# Altium PCB MCU063B_PCB.PcbDoc (part 6 of 9) (continued)
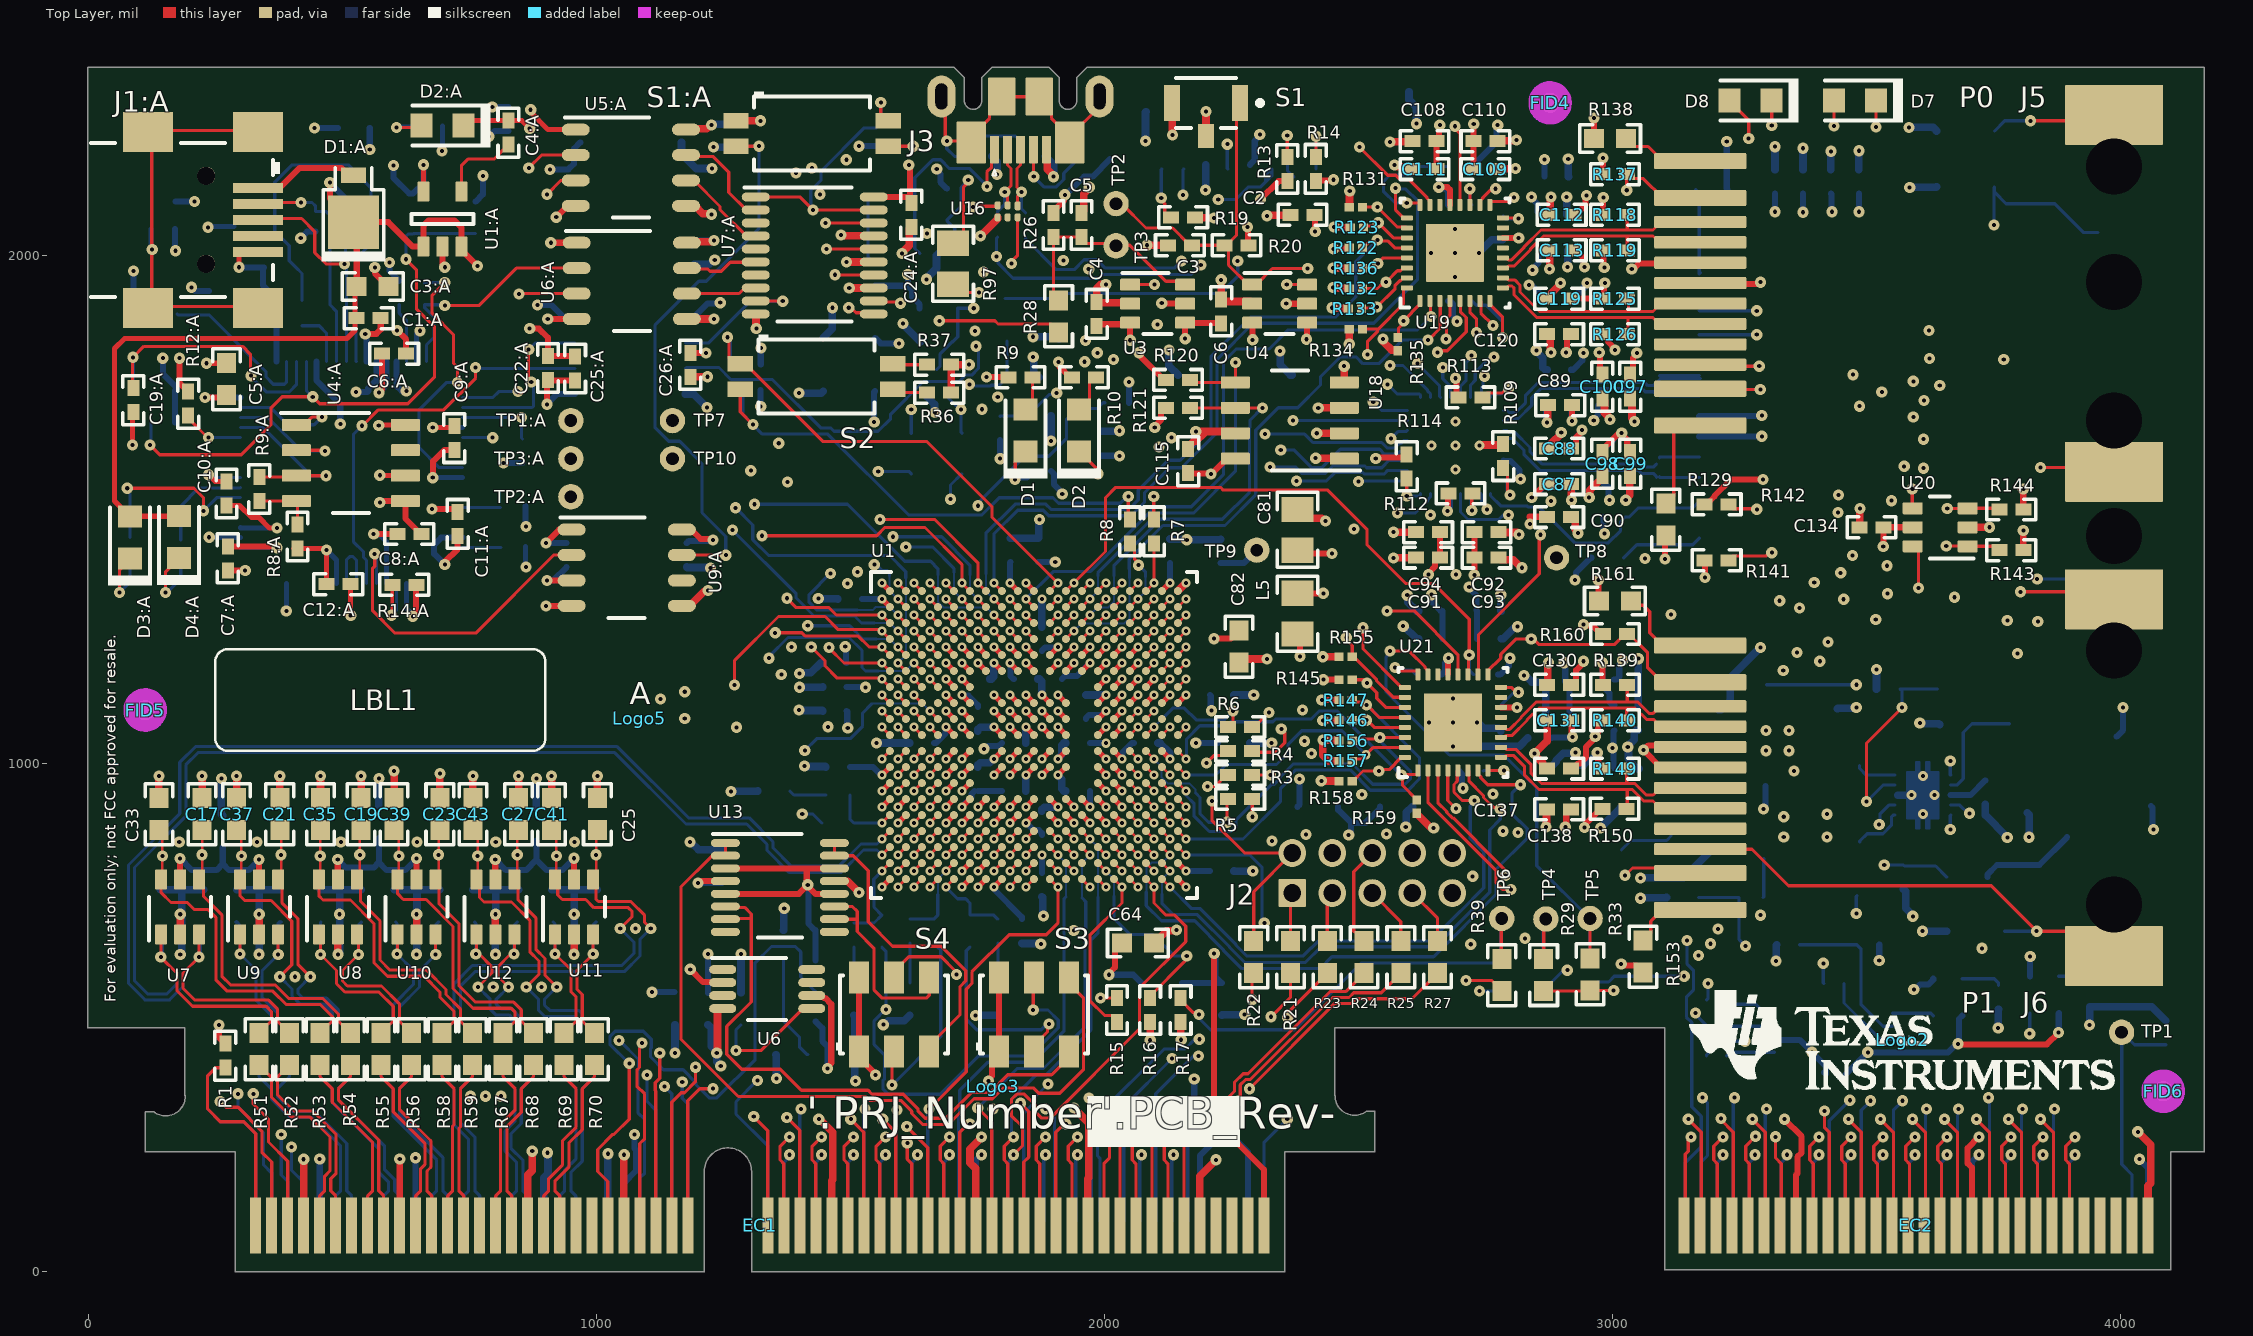
[diagram p0: Top Layer view]
## Nets (pads, with @x,y where several pads share a name; then routed paths per layer and width w, separated by ;. In a path a pad name is that pad's centre, name@x,y a point inside that pad or via, vN(x,y) a via of type N, cw(c..) or ccw(c..) an arc to the next point about the centre after c; other vN are vias at no path point) (continued)
  Top Layer w6.25: v2(1814.18,819.88) U1.U9@1829.92,835.63
  Signal Layer 4 w4: v2(1814.18,819.88) 1830.67,803.38 1851.88,803.38 1876,779.27 1876,743 1916,703 1918.4,703
  Signal Layer 4 w6.25: 1918.4,703 1947.4,703 1971.47,678.93 1992.19,678.93 2029.19,641.94 2154.79,641.94 2157.29,644.44 2257.31,644.44 2280.87,620.88 2620.05,620.88 2661.6,662.42 2742,662.42 2743.55,660.88 2796.13,660.88 2816.12,680.86 2816.12,689.38 2855.87,729.13 3035.25,729.13 3047.5,716.88 3210.62,716.88 3257.12,670.38 3274.29,670.38 3281.42,663.25 3516.24,663.25 3532.65,646.84 3533.64,646.84 3581.29,599.19 3850.96,599.19 3957.33,492.82 3957.33,251.42 3905.54,199.63 3499.71,199.63 v1(3469.34,230)
  Bottom w6.25: EC2.142@3458.39,91 3458.39,214.05 3474.34,230 v1(3469.34,230)
MCU_GPIO127: EC2.165 U1.V9 | length 2978.5
  Top Layer w6.25: v2(1814.18,788.38) U1.V9@1829.92,804.13 ; EC2.165@3836.34,91 3836.34,212.49 3829.17,219.67 3829.17,246.88 v1(3847.29,265)
  Signal Layer 4 w4: v2(1814.18,788.38) 1829.18,773.38 1829.18,739.34
  Signal Layer 4 w6.25: 1829.18,739.34 1829.18,647.88 1867.99,609.06 2010.09,609.06 2040.46,578.69 2629.84,578.69 2656.85,605.7 2785.93,605.7 2803.92,623.69 2939.75,623.69 3020.26,704.2 3204.1,704.2 3249.47,658.82 3269.51,658.82 3276.63,651.7 3511.45,651.7 3576.21,586.94 3804.54,586.94 3908.58,482.89 3908.58,315.34 3892.16,298.92 3892.16,249.24 3854.8,211.88 3839.78,211.88 3829.17,222.49 3829.17,246.88 v1(3847.29,265)
MCU_GPIO128: EC2.166 U1.W9 | length 2751.4
  Top Layer w6.25: v2(1814.18,756.89) U1.W9@1829.92,772.63
  Signal Layer 4 w6.25: v2(1814.18,756.89) 1814.18,645.55 1893.54,566.19 2634.66,566.19 2661.37,592.9 2789.46,592.9 2808,611.44 2944.44,611.44 2956.44,623.44 3142.45,623.44 3161.7,604.19 3176.96,604.19 3206.46,574.69 3799.46,574.69 3896.33,477.82 3896.33,320.42 3879.91,303.99 3879.91,262.62 v1(3847.29,230)
  Bottom w6.25: EC2.166@3836.34,91 3836.34,214.05 3852.29,230 v1(3847.29,230)
MCU_GPIO129: U1.T10 U21.3 | length 1358.5
  Top Layer w6.25: v2(1845.67,851.38) U1.T10@1861.42,867.12 ; U21.3@2656.54,986.57 2656.54,922.95 2673.97,905.52 2673.97,903.69 2684.59,893.07 2686.42,893.07 2778.6,800.9 2789.2,790.3 v1(2789.2,779.4)
  Signal Layer 4 w4: v2(1845.67,851.38) 1866.88,851.38 1892.17,826.09 1892.17,815.16 1903.2,804.13 1914.13,804.13 1925.16,793.1 1925.16,763.54 1941.21,747.49
  Signal Layer 4 w6.25: 1941.21,747.49 1985.27,703.43 2182.63,703.43 2202.09,722.9 2322.15,722.9 2337.9,707.15 2707.37,707.15 2773.22,773 2779.62,779.4 v1(2789.2,779.4)
MCU_GPIO130: U1.U10 U21.2 | length 1430.2
  Top Layer w6.25: v2(1845.67,819.88) U1.U10@1861.42,835.63 ; U21.2@2636.86,986.57 2636.86,923.42 2771,789.28 2771,764.8 2783.5,752.3 v1(2800.2,752.3)
  Signal Layer 4 w4: v2(1845.67,819.88) 1849.46,819.88 1855.96,813.38 1859.62,813.38 1890,783 1890,750 1907,733
  Signal Layer 4 w6.25: 1907,733 1934.8,733 1976.62,691.18 1997.27,691.18 2034.26,654.19 2149.71,654.19 2206.88,711.35 2317.37,711.35 2333.12,695.6 2712.15,695.6 2757.23,740.68 2788.58,740.68 v1(2800.2,752.3)
MCU_GPIO131: U1.V10 U21.4 | length 1442.6
  Top Layer w6.25: v2(1845.67,788.38) U1.V10@1861.42,804.13 ; U21.4@2676.23,986.57 2675.83,986.18 2675.83,927.17 v1@2694,909
  Signal Layer 4 w4: v2(1845.67,788.38) 1863,771.05 1863,739
  Signal Layer 4 w6.25: 1863,739 1863,720 1858.21,715.21 1858.21,696.17 1919.98,634.4 2019.4,634.4 2050.61,603.19 2619.69,603.19 2660.8,644.3 v1(2721.2,644.3)
  Signal Layer 7 w6.25: v1(2692.1,911.2) 2692.1,882.7 2648.35,838.95 2648.35,729.99 2701.08,677.26 2701.08,664.42 v1(2721.2,644.3)
MCU_GPIO132: U1.W18 U21.5 | length 1031.8
  Top Layer w6.25: U1.W18@2113.39,772.63 v2(2129.14,756.89) ; U21.5@2695.92,986.57 2694.65,985.31 2694.65,965.39 2688.08,958.82 2688.08,943.8 2704.57,927.31 v1(2728.21,927.31)
  Bottom w6.25: v2(2129.14,756.89) 2171.09,714.94 2187.86,714.94 2258.83,643.97 2258.83,642.92 2280.87,620.88 2390.8,620.88 2407.11,637.19 2408.1,637.19 2421.81,650.89 2641.66,650.89 2699.38,708.61 2699.95,708.61 2746.85,755.51 2746.85,825.88 2720.2,852.53 2720.2,916.24 2728.21,924.25 v1(2728.21,927.31)
MCU_GPIO133: EC2.164 U1.G18 | length 3114.5
  Top Layer w6.25: U1.G18@2113.39,1150.59 v2(2129.14,1166.34)
  Signal Layer 3 w4: v2(2129.14,1166.34) 2144.16,1151.31 2175.21,1151.31
  Signal Layer 3 w6.25: 2175.21,1151.31 2243.53,1151.31 2279.71,1187.49 2504.42,1187.49 2504.92,1187.99 2531.57,1187.99 2568.76,1150.8 2568.76,1109.81 2661.72,1016.85 2728.88,1016.85 2742.6,1030.57 2809.76,1030.57 2849.39,990.94 3115.45,990.94 3242.46,1117.94 3242.46,1149.84 3329.05,1236.44 3377.13,1236.44 3386.51,1227.06 3408.09,1227.06 3418.84,1216.31 v1(3797.21,1216.31)
  Signal Layer 7 w6.25: v1(3797.21,1216.31) 3797.21,619.68 3839.33,577.55 3839.33,460.8 3830.04,451.51 3830.04,342.75 v1(3807.29,320)
  Bottom w6.25: EC2.164@3804.85,91 3804.85,317.56 v1(3807.29,320)
MCU_GPIO134: U1.V18 U21.6 | length 1124.4
  Top Layer w6.25: U1.V18@2113.39,804.13 v2(2129.14,788.38) ; U21.6@2715.6,986.57 2717.4,984.78 2717.4,965.76 2746.33,936.82 2746.33,933.12 2766.12,913.33 2776.19,913.33 v1(2779.21,910.31)
  Bottom w4: 2113.21,743.31 2113.21,772.45 v2(2129.14,788.38)
  Bottom w6.25: 2113.21,743.31 2113.21,724.79 2135.31,702.69 2182.79,702.69 2246.58,638.89 2246.58,637.84 2275.8,608.63 2395.87,608.63 2426.59,639.34 2651.14,639.34 2758.4,746.6 2758.4,869.2 2779.21,890.01 v1(2779.21,910.31)
MCU_GPIO135: U1.U18 U21.7 | length 1316.6
  Top Layer w6.25: U1.U18@2113.39,835.63 v2(2129.14,819.88) ; U21.7@2735.29,986.57 2735.29,979.69 2740.92,974.05 2740.92,972.14 2754.75,958.31 v1(2819.21,958.31)
  Bottom w4: 2082.64,747 2082.64,794.6 2092.92,804.88 2114.14,804.88 v2(2129.14,819.88)
  Bottom w6.25: 2082.64,747 2082.64,720.36 2112.56,690.44 2177.71,690.44 2234.33,633.82 2234.33,632.77 2270.73,596.38 2424.48,596.38 2447.79,619.69 2647.99,619.69 2770.8,742.5 2770.8,791.67 2832.33,853.2 2832.33,871.82 2817.84,886.31 2816.57,886.31 2802.08,900.8 2802.08,941.19 v1(2819.21,958.31)
MCU_GPIO136: R155.2 U1.T17 U21.26 | length 970.9
  Top Layer w6.25: U1.T17@2081.89,867.12 v2(2097.64,851.38) ; v1(2476.21,1248.31) 2476.21,1244.05 2488,1232.26 R155.2@2488,1210 2491.15,1210 2535.33,1165.82 2535.33,1163.46 2568.51,1130.28 U21.26@2591.58,1130.28
  Signal Layer 3 w4: v2(2097.64,851.38) 2113.58,867.31 2174.21,867.31
  Signal Layer 3 w6.25: 2174.21,867.31 2198.57,867.31 2259.94,928.68 2431.66,928.68 2441.78,938.8 v1(2506.7,938.8)
  Signal Layer 7 w6.25: v1(2476.21,1248.31) 2476.21,969.29 v1(2506.7,938.8)
MCU_GPIO137: U1.T18 U21.25 | length 1052.2
  Top Layer w6.25: U1.T18@2113.39,867.12 v2(2129.14,851.38) ; v1(2509.21,1267.31) 2509.21,1225.45 2584.69,1149.96 U21.25@2591.58,1149.96
  Signal Layer 4 w4: v2(2129.14,851.38) 2145.07,867.31 2176.21,867.31
  Signal Layer 4 w6.25: 2176.21,867.31 2194.88,867.31 2196.01,866.19 2248.71,866.19 2259.71,877.19 2298.71,877.19 2299.95,878.42 2487.71,878.42 2498.82,867.31 2549.89,867.31 v1(2555.6,861.6)
  Signal Layer 7 w6.25: v1(2509.21,1267.31) 2509.21,1221.31 2560.33,1170.19 2560.33,889.37 2555.6,884.64 v1(2555.6,861.6)
MCU_GPIO138: R147.1 U1.T19 U21.28 | length 889.2
  Top Layer w6.25: U1.T19@2144.88,867.12 v2(2160.63,851.38) ; R147.1@2488,1125 2492.18,1120.83 2506.43,1120.83 2511.95,1115.31 v1(2516.21,1115.31) 2540.61,1090.91 U21.28@2591.58,1090.91
  Bottom w6.25: v2(2160.63,851.38) 2272.9,851.38 2346.58,925.06 2346.58,949.99 2366.08,969.49 2366.08,976.82 2376.7,987.44 2483.7,987.44 2523.63,947.5 2597.8,947.5 2620.3,970 2620.3,1011.22 v1(2516.21,1115.31)
MCU_GPIO139: R156.2 U1.N19 U21.30 | length 813.9
  Top Layer w6.25: U1.N19@2144.88,961.61 v2(2160.63,945.86) ; R156.2@2488,1045 2491.3,1048.3 2539.19,1048.3 v1(2542.21,1051.31) 2542.32,1051.42 2591.47,1051.42 U21.30@2591.58,1051.54
  Bottom w6.25: v2(2160.63,945.86) 2160.63,937.17 2176.76,921.05 2176.76,896.24 2206.81,866.19 2248.71,866.19 2259.33,876.8 2259.33,889.07 2329.45,959.19 2334.71,959.19 2345.33,969.8 2345.33,972.4 2371.92,998.99 2488.48,998.99 2528.28,959.19 2591.71,959.19 2602.33,969.8 2602.33,984.82 2542.21,1044.94 v1(2542.21,1051.31)
MCU_GPIO140: R157.2 U1.M19 U21.31 | length 558.7
  Top Layer w6.25: U1.M19@2144.88,993.11 v2(2160.63,977.36) ; R157.2@2488,1001.75 R157.2@2488,1005 2491.8,1008.8 2506.43,1008.8 v4@2514.12,1016.48 ; v4(2514.95,1017.31) 2529.48,1031.85 U21.31@2591.58,1031.85
  Bottom w6.25: v2(2160.63,977.36) 2219.49,977.36 2240.29,998.15 2338.75,998.15 2361.69,1021.09 2361.69,1037.69 2388.43,1064.44 2467.82,1064.44 v4(2514.95,1017.31)
MCU_GPIO141: R158.2 U1.M18 U21.32 | length 578.3
  Top Layer w6.25: U1.M18@2113.39,993.11 v2(2129.14,977.36) ; R158.2@2488,965 2488.79,965 2509.1,985.31 v1(2540.21,985.31) 2542.95,988.05 2560.58,988.05 2584.69,1012.17 U21.32@2591.58,1012.17
  Signal Layer 3 w4: v2(2129.14,977.36) 2145.09,993.31 2171.21,993.31
  Signal Layer 3 w6.25: 2171.21,993.31 2179.69,993.31 2192,981 2283.72,981 2298.15,995.44 2402.45,995.44 2412.57,985.31 v1(2540.21,985.31)
MCU_GPIO142: R159.2 U1.L19 U21.1 | length 661.8
  Top Layer w6.25: U1.L19@2144.88,1024.6 v2(2160.63,1008.86) ; R159.2@2615.01,927.99 2615.01,928.78 2586.85,956.94 2586.85,974.67 v1(2584.21,977.31) 2585.48,978.58 2615.38,978.58 2617.17,980.38 U21.1@2617.17,986.57
  Bottom w6.25: v2(2160.63,1008.86) 2161.88,1010.11 2161.88,1048.21 2188,1074.33 2240.55,1074.33 2248.42,1082.19 2331.71,1082.19 2336.9,1087.38 2406.75,1087.38 2422.5,1103.13 2458.39,1103.13 v1(2584.21,977.31)
MCU_GPIO143: J5.11 U1.F18 | length 2361
  Top Layer w6.25: U1.F18@2113.39,1182.08 v2(2129.14,1197.83) ; J5.11@3170.84,1735.9 v1(3291.11,1735.9)
  Signal Layer 3 w4: v2(2129.14,1197.83) 2144.14,1182.83 2171.69,1182.83
  Signal Layer 3 w6.25: 2171.69,1182.83 2257.73,1182.83 2298.73,1223.83 2372.21,1223.83 2377.5,1229.13 2392.52,1229.13 2393.52,1228.13 2437.52,1228.13 2447.71,1217.94 2517.95,1217.94 2580.31,1155.58 2580.31,1115.59 2640.46,1055.44 2839.66,1055.44 2891.91,1003.19 3110.38,1003.19 3230.21,1123.02 3230.21,1192.94 3285.95,1248.69 3382.21,1248.69 3391.58,1239.31 v1(3424.21,1239.31)
  Signal Layer 7 w6.25: v1(3291.11,1735.9) 3312.13,1714.88 3312.13,1600.87 3266.08,1554.82 3266.08,1436.96 3306.16,1396.88 3382.28,1396.88 3424.21,1354.94 v1(3424.21,1239.31)
MCU_GPIO144: J6.11 U1.F17 | length 1848.1
  Top Layer w6.25: U1.F17@2081.89,1182.08 v2(2097.64,1197.83) ; v1(3025.01,780) v1(3025.01,780) 3039.45,794.38 3160.07,794.38 3150.02,784.32 J6.11@3172.83,784.32
  Signal Layer 4 w4: v2(2097.64,1197.83) 2113.39,1182.08 2172.44,1182.08
  Signal Layer 4 w6.25: 2172.44,1182.08 2381.73,1182.08 2403.13,1203.49 2403.13,1208.76 2422.5,1228.13 2430.32,1228.13 2468.63,1266.44 2478.6,1266.44 2530.6,1318.44 2563.71,1318.44 2592.46,1289.69 2933.95,1289.69 2935.7,1291.44 3113.33,1291.44 v1(3115.21,1293.31)
  Signal Layer 7 w6.25: v1(3025.01,780) 3115.21,870.2 v1(3115.21,1293.31)
MCU_GPIO145: R143.1 U1.E17 U20.1 | length 2407.9
  Top Layer w6.25: U1.E17@2081.89,1213.58 v2(2097.64,1229.33) ; v1(3657.01,1428) 3698.74,1428 U20.1@3699.14,1427.6 3753.79,1427.6 R143.1@3761.39,1420
  Signal Layer 3 w4: v2(2097.64,1229.33) 2113.39,1213.58 2170.94,1213.58
  Signal Layer 3 w6.25: 2170.94,1213.58 2270.37,1213.58 2292.87,1236.08 2367.13,1236.08 2372.43,1241.38 2397.59,1241.38 2398.59,1240.38 2442.59,1240.38 2452.78,1230.19 2506.62,1230.19 2515.87,1239.44 2569.71,1239.44 2587.21,1221.94 2587.21,1199.94 2590.33,1196.82 2590.33,1189.79 2668.78,1111.34 2727.04,1111.34 2770.69,1067.69 2910.95,1067.69 2914.7,1071.44 3161.3,1071.44 3217.96,1128.09 3217.96,1198.02 3280.88,1260.94 3497.63,1260.94 3507.63,1250.94 3834.46,1250.94 3855.33,1271.8 3855.33,1286.82 3822.28,1319.88 3765.13,1319.88 v1(3657.01,1428)
MCU_GPIO146: R144.1 U1.D18 U20.3 | length 2111
  Top Layer w6.25: U1.D18@2113.39,1245.08 v2(2129.14,1260.82) ; v1(3659.01,1502) 3698.74,1502 U20.3@3699.14,1502.4 3758.99,1502.4 R144.1@3761.39,1500
  Signal Layer 3 w4: v2(2129.14,1260.82) 2144.62,1276.31 2176.21,1276.31
  Signal Layer 3 w6.25: 2176.21,1276.31 2453.86,1276.31 2475.23,1297.69 2521.79,1297.69 2537.29,1282.19 2563.71,1282.19 2569.96,1288.44 2595.71,1288.44 2613.16,1271 2613.16,1211.08 2666.71,1157.52 2715.5,1157.52 2780.84,1092.19 2900.8,1092.19 2904.55,1095.94 3064.73,1095.94 3254.23,1285.44 3372.96,1285.44 3428.96,1341.44 3497.56,1341.44 3522.81,1316.19 3591.4,1316.19 3602.4,1327.19 3673.08,1327.19 v1(3673.21,1327.31)
  Signal Layer 7 w6.25: v1(3659.01,1502) 3659.01,1451.63 3675.13,1435.51 3675.13,1329.24 v1(3673.21,1327.31)
MCU_GPIO147: EC2.167 U1.D17 | length 3244.3
  Top Layer w6.25: U1.D17@2081.89,1245.08 v2(2097.64,1260.82) ; v1(3842.29,300) 3867.84,274.45 EC2.167@3867.84,91
  Signal Layer 3 w4: v2(2097.64,1260.82) 2113.15,1245.31 2173.21,1245.31
  Signal Layer 3 w6.25: 2173.21,1245.31 2187.69,1245.31 2205.38,1227.62 2267.08,1227.62 2287.79,1248.33 2362.06,1248.33 2367.35,1253.63 2402.67,1253.63 2403.67,1252.63 2447.49,1252.63 2480.3,1285.44 2516.71,1285.44 2532.21,1269.94 2556.54,1269.94 2599.46,1227.02 2599.46,1205.02 2602.58,1201.89 2602.58,1194.87 2652.17,1145.27 2710.42,1145.27 2775.76,1079.94 2905.88,1079.94 2909.63,1083.69 3156.23,1083.69 3205.71,1133.16 3205.71,1203.09 3275.8,1273.19 3502.7,1273.19 3512.7,1263.19 3821.08,1263.19 v1(3837.21,1279.31)
  Signal Layer 7 w6.25: v1(3837.21,1279.31) 3837.21,1276.85 3850.38,1263.67 3850.38,731.04 3853.13,728.29 3853.13,457.28 3842.29,446.44 v1(3842.29,300)
MCU_GPIO148: J5.2 R137.1 U1.D14 U19.17 | length 2287.7
  Top Layer w6.25: U1.D14@1987.4,1245.08 v2(2003.15,1260.82) ; U19.17@2758.91,2099.49 2758.91,2104.41 2760.7,2106.21 2793.84,2106.21 2801.95,2114.31 v1(2806.21,2114.31) ; v1(3028.21,2128.31) 3028.21,2159.58 R137.1@3028.63,2160 3037.32,2151.31 3060.89,2151.31 3099,2113.2 J5.2@3172.83,2113.2
  Signal Layer 4 w4: 1987.4,1369.12 1987.4,1276.57 v2(2003.15,1260.82)
  Signal Layer 4 w6.25: 1987.4,1369.12 1987.4,1391.4 2004.44,1408.44 2074.71,1408.44 2097.84,1385.31 2183.86,1385.31 2257.86,1311.31 2347.04,1311.31 2413.35,1377.63 2467.8,1377.63 2524.86,1434.69 2587.58,1434.69 v1(2642.21,1489.31) ; v1(2806.21,2114.31) 2824.64,2095.88 2995.77,2095.88 v1(3028.21,2128.31)
  Signal Layer 7 w6.25: v1(2642.21,1489.31) 2626.86,1504.66 2626.86,1656 2634.33,1663.47 2634.33,1810.55 2619.08,1825.8 2619.08,2069.55 2676.33,2126.8 2676.33,2131.39 2706.63,2161.69 2782.79,2161.69 2806.21,2138.27 v1(2806.21,2114.31)
MCU_GPIO149: J6.2 R160.1 U1.A13 U21.17 | length 1987.5
  Top Layer w6.25: U1.A13@1955.91,1339.56 v2(1971.66,1355.31) ; U21.17@2754.97,1175.55 2754.97,1182.44 2780.08,1207.55 2780.08,1214.82 2810.57,1245.31 2844.47,1245.31 2855.72,1234.06 3003.76,1234.06 3024.69,1255 3032.57,1255 3069.33,1218.24 3069.33,1188.37 3097.79,1159.91 J6.2@3172.83,1159.91
  Signal Layer 3 w6.25: v2(1971.66,1355.31) 1971.66,1422.91 2008.83,1460.09 2008.83,1512.57 2039.7,1543.44 2155.95,1543.44 2185.7,1513.69 2411.3,1513.69 2417.55,1519.94 2507.79,1519.94 2544.86,1557.01 2612.73,1557.01 2644.63,1525.1 2758.36,1525.1 2811.7,1578.44 2826.71,1578.44 2876.19,1528.96 2876.19,1519.33 v1(2879.21,1516.31)
  Signal Layer 7 w6.25: v1(2840.21,1245.31) 2840.33,1245.44 2840.33,1403.58 2879.21,1442.46 v1(2879.21,1516.31)
MCU_GPIO150: R120.1 U1.B13 U18.5 | length 777.9
  Top Layer w6.25: U1.B13@1955.91,1308.07 v2(1971.66,1323.82) ; R120.1@2168.63,1755 2173.63,1750 U18.5@2257.73,1750 2258.01,1750.28 v1(2258.01,1789)
  Bottom w4: v2(1971.66,1323.82) 1987.21,1339.37 1987.21,1369.31
  Bottom w6.25: 1987.21,1369.31 1987.21,1375.11 2105.16,1493.06 2176.03,1493.06 2258.01,1575.04 v1(2258.01,1789)
MCU_GPIO151: R121.1 U1.C13 U18.6 | length 796.9
  Top Layer w6.25: U1.C13@1955.91,1276.57 v2(1971.66,1292.32) ; R121.1@2168.63,1700 U18.6@2257.73,1700 v1(2311.01,1700)
  Bottom w4: v2(1971.66,1292.32) 1986.66,1307.32 2007.87,1307.32 2018.9,1318.35 2018.9,1369
  Bottom w6.25: 2018.9,1369 2018.9,1389.48 2110.23,1480.81 2232.36,1480.81 2285.83,1534.29 2285.83,1660.89 2286.71,1661.77 2286.71,1675.7 v1(2311.01,1700)
MCU_GPIO152: U1.D13 U19.20 U21.20 | length 2185.7
  Top Layer w6.25: U1.D13@1955.91,1245.08 v2(1971.66,1260.82) ; v1(2556.21,1300.31) 2609.84,1300.31 2695.92,1214.24 U21.20@2695.92,1175.55 ; v1(2690.21,2254.31) 2690.21,2250.05 2699.85,2240.41 U19.20@2699.85,2099.49
  Signal Layer 4 w4: v2(1971.66,1260.82) 1986.66,1245.82 1986.66,1161.62 1996.96,1151.31 2173,1151.31
  Signal Layer 4 w6.25: 2173,1151.31 2209.31,1151.31 2227.83,1169.83 2386.8,1169.83 2400.09,1183.13 2450.65,1183.13 2527.33,1259.8 2527.33,1271.44 v1(2556.21,1300.31)
  Signal Layer 7 w6.25: v1(2556.21,1300.31) 2556.21,1391.68 2551.08,1396.8 2551.08,1501.69 2552.33,1502.94 2552.33,1607.82 2546.08,1614.07 2546.08,1669.19 2599.83,1722.94 2599.83,1778.05 2592.58,1785.3 2592.58,1833.89 2571.08,1855.39 2571.08,1938.55 2606.83,1974.3 2606.83,2089.3 2629.14,2111.61 2629.14,2193.24 v1(2690.21,2254.31)
MCU_GPIO153: R127.2 R152.2 U1.A12 U19.19 U21.19 | length 2270.3
  Top Layer w6.25: U1.A12@1924.41,1339.56 v2(1940.16,1355.31) 2002.21,1417.36 2002.21,1523.27 2022.38,1543.44 2228.54,1543.44 2233.79,1538.19 2439.96,1538.19 2516.83,1461.32 2516.83,1431.05 2593.7,1354.19 2647.96,1354.19 2718.21,1283.94 v1(2718.21,1213.31) 2716.9,1212.01 2716.9,1176.85 U21.19@2715.6,1175.55 ; v1(2719.21,2131.31) 2719.37,2131.15 2719.37,2099.65 U19.19@2719.54,2099.49
  Signal Layer 7 w6.25: v1(2718.21,1213.31) 2749.83,1244.94 2749.83,1349.98 2765.21,1365.36 2765.21,1486.68 2776.08,1497.55 2776.08,1743.82 2801.99,1769.73 2801.99,1981.58 2719.21,2064.37 v1(2719.21,2131.31)
  Bottom w6.25: v1(2718.21,1213.31) 2718.21,1183.69 2726.89,1175 R152.2@2727.77,1175 ; v1(2719.21,2131.31) 2719.21,2103.76 R127.2@2723.47,2099.49
MCU_GPIO154: R29.1 R33.1 U1.B12 | length 2595.7
  Top Layer w6.25: U1.B12@1924.41,1308.07 v2(1940.16,1323.82) ; R29.1@2864.71,552.2 R33.1@2954.71,552.2 ; R33.1@2956.01,553.5 v1(3002.51,553.5)
  Signal Layer 3 w4: v2(1940.16,1323.82) 1955.21,1338.86 1955.21,1371.31
  Signal Layer 3 w6.25: 1955.21,1371.31 1955.21,1423.79 1996.58,1465.17 1996.58,1517.64 2034.63,1555.69 2161.02,1555.69 2190.77,1525.94 2390.79,1525.94 2397.04,1532.19 2502.71,1532.19 2539.78,1569.26 2617.8,1569.26 2649.71,1537.35 2753.29,1537.35 2806.63,1590.69 2979.46,1590.69 3064.21,1505.94 v1(3064.21,1403.31)
  Signal Layer 7 w6.25: v1@3001.51,553.5 3133.33,685.33 3133.33,1334.19 v1(3064.21,1403.31)
MCU_GPIO155: U1.C12 U19.18 U21.18 | length 2332.3
  Top Layer w6.25: U1.C12@1924.41,1276.57 v2(1940.16,1292.32) ; U21.18@2735.29,1175.55 2736.33,1176.6 2736.33,1253.83 2855.88,1373.38 2855.88,1447.99 v1(2858.21,1450.31) ; U19.18@2739.22,2099.49 2739.22,2106.38 2744.86,2112.02 2744.86,2113.93 2759.23,2128.3 2767.19,2128.3 v1(2770.21,2131.31)
  Signal Layer 4 w4: 1924.41,1372.11 1924.41,1308.07 v2(1940.16,1292.32)
  Signal Layer 4 w6.25: 1924.41,1372.11 1924.41,1395.41 1949.69,1420.69 2079.79,1420.69 2102.91,1397.56 2189.31,1397.56 2263.31,1323.56 2341.97,1323.56 2408.28,1389.88 2462.73,1389.88 2546.29,1473.44 2582.96,1473.44 2624.96,1515.44 2682.71,1515.44 2705.08,1493.07 2705.08,1490.8 2763.41,1432.47 2839.81,1432.47 2857.64,1450.31 v1(2858.21,1450.31)
  Signal Layer 7 w6.25: v1(2770.21,2131.31) 2770.21,2030.69 2817.88,1983.01 2817.88,1731.96 2853.08,1696.76 2853.08,1663.8 2859.33,1657.55 2859.33,1451.44 v1(2858.21,1450.31)
MCU_GPIO156: U1.D12 U19.3 | length 1207
  Top Layer w6.25: U1.D12@1924.41,1245.08 v2(1940.16,1260.82) ; v1(2637.21,1833.31) 2661.06,1857.16 2661.06,1909.94 U19.3@2660.48,1910.51
  Bottom w4: v2(1940.16,1260.82) 1955.16,1275.82 2039.36,1275.82 2049.65,1286.11 2049.65,1365
  Bottom w6.25: 2049.65,1365 2049.65,1382.24 2049.08,1382.8 2049.08,1402.34 2115.31,1468.56 2237.43,1468.56 2298.08,1529.21 2298.08,1655.82 2342.65,1700.39 2380.9,1700.39 2425.47,1744.97 2425.47,1761.1 2464.5,1800.13 2496.01,1800.13 2508.94,1787.19 2540.45,1787.19 2586.57,1833.31 v1(2637.21,1833.31)
MCU_GPIO157: U1.B10 U19.2 | length 1211.9
  Top Layer w6.25: v2(1845.67,1323.82) U1.B10@1861.42,1308.07 ; U19.2@2640.8,1910.51 2641.86,1909.45 2641.86,1880.77 v1(2642.93,1879.7)
  Bottom w6.25: v2(1845.67,1323.82) 1900.11,1378.25 1973.03,1378.25 2100.09,1505.31 2170.95,1505.31 2234.21,1568.57 2234.21,1790.83 2259.25,1815.88 2324.25,1815.88 2361.81,1853.44 2555.71,1853.44 2555.96,1853.19 2616.42,1853.19 v1(2642.93,1879.7)
MCU_GPIO158: U1.C10 U19.4 | length 1462.2
  Top Layer w6.25: v2(1845.67,1292.32) U1.C10@1861.42,1276.57 ; v1(2672.21,1835.31) 2673.31,1836.41 2673.31,1875.04 2680.17,1881.9 U19.4@2680.17,1910.51
  Signal Layer 3 w4: 1829.21,1374.31 1829.21,1308.78 v2(1845.67,1292.32)
  Signal Layer 3 w6.25: 1829.21,1374.31 1829.21,1391.21 1849,1411 1865.89,1411 1959.83,1504.94 1959.83,1568.57 2014.39,1623.13 2045.16,1623.13 2075.53,1592.75 2286.28,1592.75 2328.96,1635.44 2369.08,1635.44 2384.89,1619.63 2481.52,1619.63 2519.34,1657.44 2615.96,1657.44 2740.33,1781.8 2740.33,1810.82 2715.84,1835.31 v1(2672.21,1835.31)
MCU_GPIO159: U1.D10 U19.5 | length 1520.3
  Top Layer w6.25: v2(1845.67,1260.82) U1.D10@1861.42,1245.08 ; v1(2655.78,1809.31) 2658.79,1812.33 2674.85,1812.33 2712.33,1849.8 2712.33,1877.82 2700.83,1889.33 2700.83,1909.54 U19.5@2699.85,1910.51
  Signal Layer 4 w4: v2(1845.67,1260.82) 1849.46,1260.82 1854.46,1265.82 1854.53,1265.82 1892.17,1303.46 1892.17,1342.35
  Signal Layer 4 w6.25: 1892.17,1342.35 1892.17,1354.83 1885.26,1361.74 1885.26,1403.89 1914.31,1432.94 2084.86,1432.94 2107.99,1409.81 2194.38,1409.81 2268.38,1335.81 2335.68,1335.81 2401.99,1402.13 2403.68,1402.13 2433,1431.44 2486.96,1431.44 2552.33,1496.8 2552.33,1607.82 2546.08,1614.07 2546.08,1672.99 2547.33,1674.24 2547.33,1718.82 2539.08,1727.07 2539.08,1753.82 2550.45,1765.19 2569.71,1765.19 2589.64,1785.11 2589.64,1786.38 2612.57,1809.31 v1(2655.78,1809.31) v1@2656.78,1810.31
MCU_GPIO160: U1.B9 U19.6 | length 1412.4
  Top Layer w6.25: v2(1814.18,1323.82) U1.B9@1829.92,1308.07 ; U19.6@2719.54,1910.51 2719.54,1887.94 2732.21,1875.27 v1(2732.21,1848.31)
  Signal Layer 3 w4: 1799.18,1372.28 1799.18,1338.82 v2(1814.18,1323.82)
  Signal Layer 3 w6.25: 1799.18,1372.28 1799.18,1387.18 1838,1426 1855.85,1426 1947.58,1517.73 1947.58,1573.64 2009.31,1635.38 2069.51,1635.38 2099.89,1605 2230.12,1605 2291.56,1666.44 2354.45,1666.44 2363.7,1657.19 2364.66,1657.19 2389.97,1631.88 2475.4,1631.88 2580.33,1736.8 2580.33,1802.07 2631.7,1853.44 2679.71,1853.44 2684.84,1848.31 v1(2732.21,1848.31)
MCU_GPIO161: U1.C9 U19.7 | length 1548.2
  Top Layer w6.25: v2(1814.18,1292.32) U1.C9@1829.92,1276.57 ; U19.7@2739.22,1910.51 2741.02,1908.72 2741.02,1886.5 v1(2765.21,1862.31)
  Signal Layer 4 w4: v2(1814.18,1292.32) 1829.18,1307.32 1829.18,1371.28
  Signal Layer 4 w6.25: 1829.18,1371.28 1829.18,1427.18 1859.44,1457.44 2153.7,1457.44 2154.7,1458.44 2184.4,1458.44 2269.22,1373.63 2319.22,1373.63 2401.53,1455.94 2439.46,1455.94 2482.08,1498.55 2482.08,1562.82 2502.38,1583.12 2502.38,1749.12 2557.7,1804.44 2565.29,1804.44 2614.29,1853.44 2679.71,1853.44 2680.96,1852.19 2703.21,1852.19 2717.46,1866.44 2739.71,1866.44 2743.84,1862.31 v1(2765.21,1862.31)
MCU_GPIO162: R131.2 U1.D9 U19.26 | length 1747.1
  Top Layer w6.25: v2(1814.18,1260.82) U1.D9@1829.92,1245.08 ; R131.2@2508,2095 2508.16,2095.16 2537.05,2095.16 v1(2537.21,2095.31) 2576.51,2056.01 2593.73,2056.01 U19.26@2595.52,2054.21
  Signal Layer 4 w4: v2(1814.18,1260.82) 1829.18,1275.82 1850.39,1275.82 1860.67,1286.11 1860.67,1338.82 1865.17,1343.31 1865.17,1368.83
  Signal Layer 4 w6.25: 1865.17,1368.83 1865.17,1401.12 1909.24,1445.19 2089.94,1445.19 2112.94,1422.19 2199.33,1422.19 2260.14,1361.38 2324.29,1361.38 2406.6,1443.69 2473.58,1443.69 v1(2491.21,1461.31)
  Signal Layer 7 w6.25: v1(2491.21,1461.31) 2530.58,1500.69 2530.58,1578.3 2516.08,1592.8 2516.08,1656.51 2587.58,1728.01 2587.58,1772.98 2580.33,1780.23 2580.33,1814.17 2566.33,1828.17 2566.33,1842.82 2554.33,1854.82 2554.33,1905.82 2514.08,1946.07 2514.08,2072.19 v1(2537.21,2095.31)
MCU_GPIO163: U1.A8 U19.25 | length 1543.9
  Top Layer w6.25: v2(1782.68,1355.31) U1.A8@1798.43,1339.56 ; v1(2573.21,2132.31) 2573.21,2089.32 2588.63,2073.9 U19.25@2595.52,2073.9
  Bottom w6.25: v2(1782.68,1355.31) 1782.68,1451.76 1829.36,1498.44 1879.71,1498.44 1890.46,1487.69 2052.54,1487.69 2079.08,1514.23 2079.08,1532.82 2128.55,1582.29 2151.89,1582.29 2221.96,1652.36 2221.96,1795.9 2292.68,1866.63 2530.15,1866.63 2616.46,1952.93 2616.46,2107.69 2593.58,2130.57 2574.95,2130.57 v1(2573.21,2132.31)
MCU_GPIO164: R122.1 U1.B8 U19.28 | length 1412.6
  Top Layer w6.25: v2(1782.68,1323.82) U1.B8@1798.43,1308.07 ; R122.1@2508,2015 2508.79,2015 2521.09,2027.3 2534.19,2027.3 v1(2537.21,2030.31) 2538.91,2028.61 2557.58,2028.61 2571.35,2014.84 U19.28@2595.52,2014.84
  Bottom w4: 1766.93,1373.59 1766.93,1339.56 v2(1782.68,1323.82)
  Bottom w6.25: 1766.93,1373.59 1766.93,1453.33 1824.29,1510.69 1884.79,1510.69 1895.54,1499.94 2047.46,1499.94 2066.83,1519.3 2066.83,1537.89 2125.85,1596.91 2149.19,1596.91 2209.71,1657.44 2209.71,1800.98 2287.6,1878.88 2455.52,1878.88 2494.86,1918.21 2494.86,1987.96 v1(2537.21,2030.31)
MCU_GPIO165: R132.2 U1.C5 U19.30 | length 1506.7
  Top Layer w6.25: v2(1688.19,1292.32) U1.C5@1703.94,1276.57 ; R132.2@2508,1935 2537.7,1935 2547.21,1944.5 2547.21,1950.31 2557.21,1950.31 2576.73,1969.83 2582.99,1969.83 2588.63,1975.47 U19.30@2595.52,1975.47 ; v1@2547.21,1947.31 v1(2554.21,1947.31)
  Signal Layer 4 w4: v2(1688.19,1292.32) 1703.19,1307.32 1724.4,1307.32 1734.69,1317.6 1734.69,1371.83
  Signal Layer 4 w6.25: 1734.69,1371.83 1734.69,1385.75 1859.63,1510.69 1945.14,1510.69 1973.14,1482.69 2144.3,1482.69 2144.55,1482.94 2365.11,1482.94 2463.63,1581.46 2463.63,1727.45 2453.88,1737.2 2453.88,1823.49 2492.63,1862.24 2492.63,1885.74 v1(2554.21,1947.31)
MCU_GPIO166: R133.2 U1.D5 U19.31 | length 1583.4
  Top Layer w6.25: v2(1688.19,1260.82) U1.D5@1703.94,1245.08 ; R133.2@2505.99,1895 2507.65,1896.66 2534.55,1896.66 2572.33,1934.44 2572.33,1941.4 2581.08,1950.15 2582.99,1950.15 2588.63,1955.79 U19.31@2595.52,1955.79
  Signal Layer 4 w4: v2(1688.19,1260.82) 1703.19,1275.82 1755.9,1275.82 1766.18,1286.11 1766.18,1372.29
  Signal Layer 4 w6.25: 1766.18,1372.29 1766.18,1399.92 1864.7,1498.44 1940.07,1498.44 1968.07,1470.44 2149.38,1470.44 2149.63,1470.69 2189.48,1470.69 2274.29,1385.88 2314.14,1385.88 2423.67,1495.4 2423.67,1521.73 2490.13,1588.2 2490.13,1802.87 2504.88,1817.62 2504.88,1866.99 v1(2536.21,1898.31)
MCU_GPIO167: R134.2 U1.C4 U19.32 | length 2267.3
  Top Layer w6.25: v2(1656.7,1292.32) U1.C4@1672.44,1276.57 ; R134.2@2508,1855 2536.9,1855 ; v1(2518.21,1805.31) 2518.21,1830.94 2537.9,1850.63 2537.9,1854 2588.8,1904.91 2588.8,1934.31 2590.6,1936.1 U19.32@2595.52,1936.1
  Signal Layer 4 w4: 1639.21,1376.31 1639.21,1362.52 1640.2,1361.53 1640.2,1308.82 v2(1656.7,1292.32)
  Signal Layer 4 w6.25: 1639.21,1376.31 1639.21,1443.21 1664.5,1468.5 1759.14,1468.5 1851.33,1560.69 1929.79,1560.69 1983.29,1507.19 2134.15,1507.19 2134.4,1507.44 2354.96,1507.44 2439.13,1591.61 2439.13,1717.3 2429.38,1727.05 2429.38,1852.74 2466.13,1889.49 2466.13,1902.2 2470.13,1906.2 2470.13,2053.87 2529.7,2113.44 2544.71,2113.44 2564.83,2093.32 2564.83,2020.32 2574.33,2010.82 2574.33,1997.47 2607.33,1964.47 2607.33,1863.8 2596.71,1853.19 2568.83,1853.19 2568.58,1853.44 2540.7,1853.44 2518.21,1830.94 v1(2518.21,1805.31)